# Altium PCB cam_cross_link.PcbDoc (part 1 of 4)
Units mm, origin at the board's own origin, x right, y up, seen from the top; angles counter-clockwise.
Board outline 68.55 x 39.09 mm, 6 copper layers (Signal_T, GND_T, PWR, Signal_INT, GND_B, Signal_B), stack 0.816 mm thick; 186 components, 134 nets, 893 pads, 753 vias.
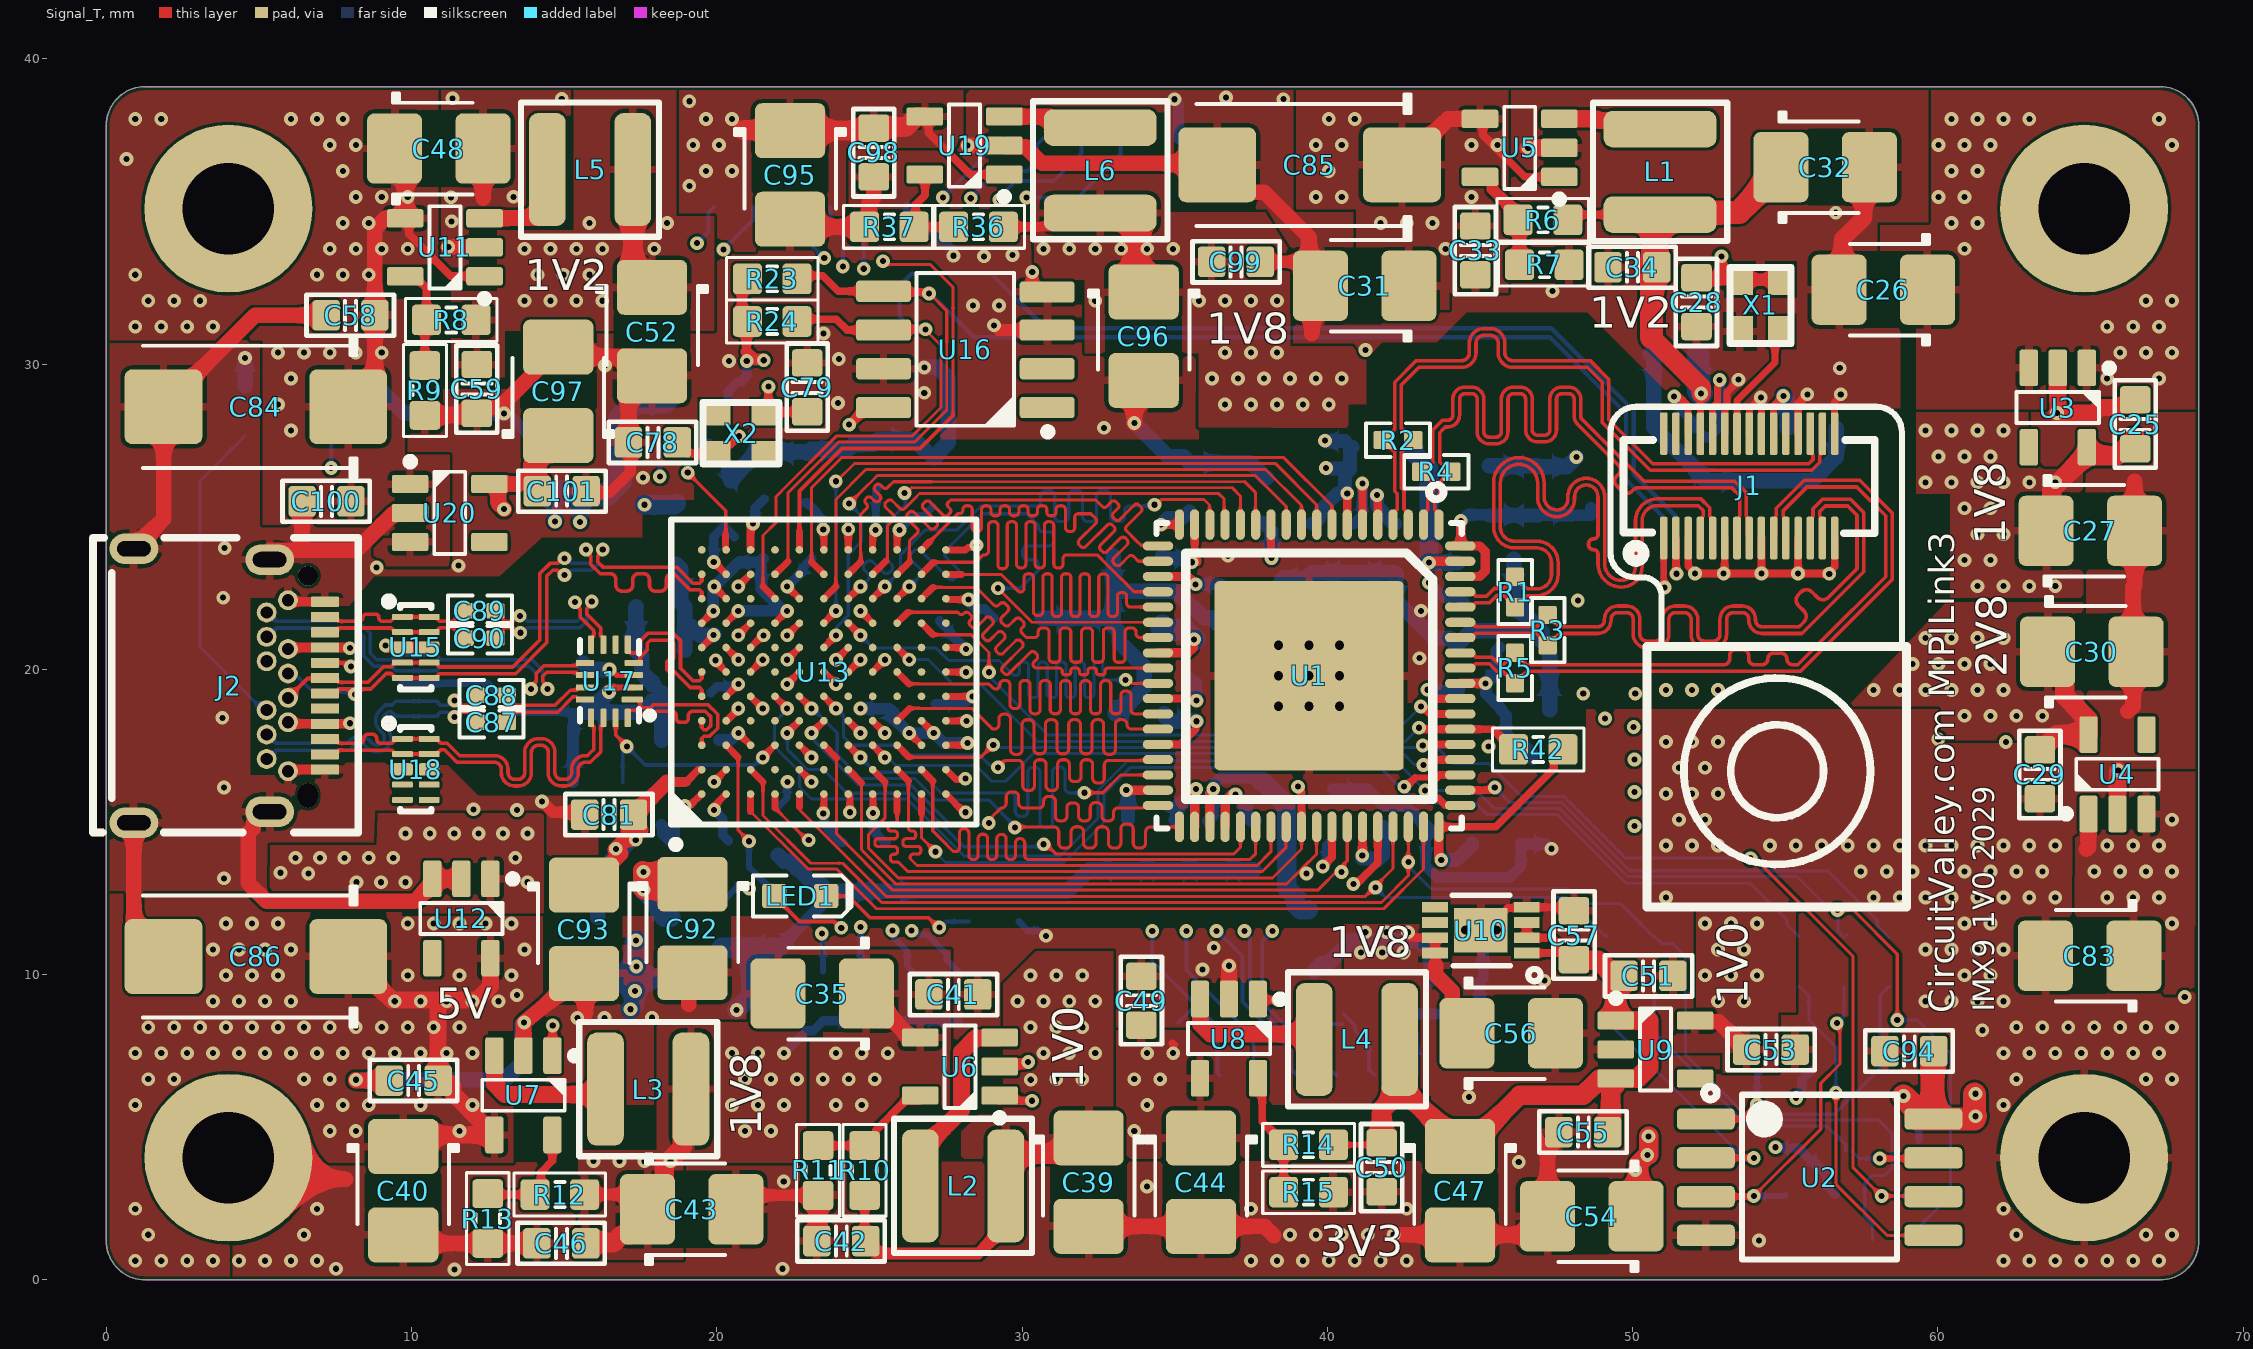
[diagram p0: Signal_T view]
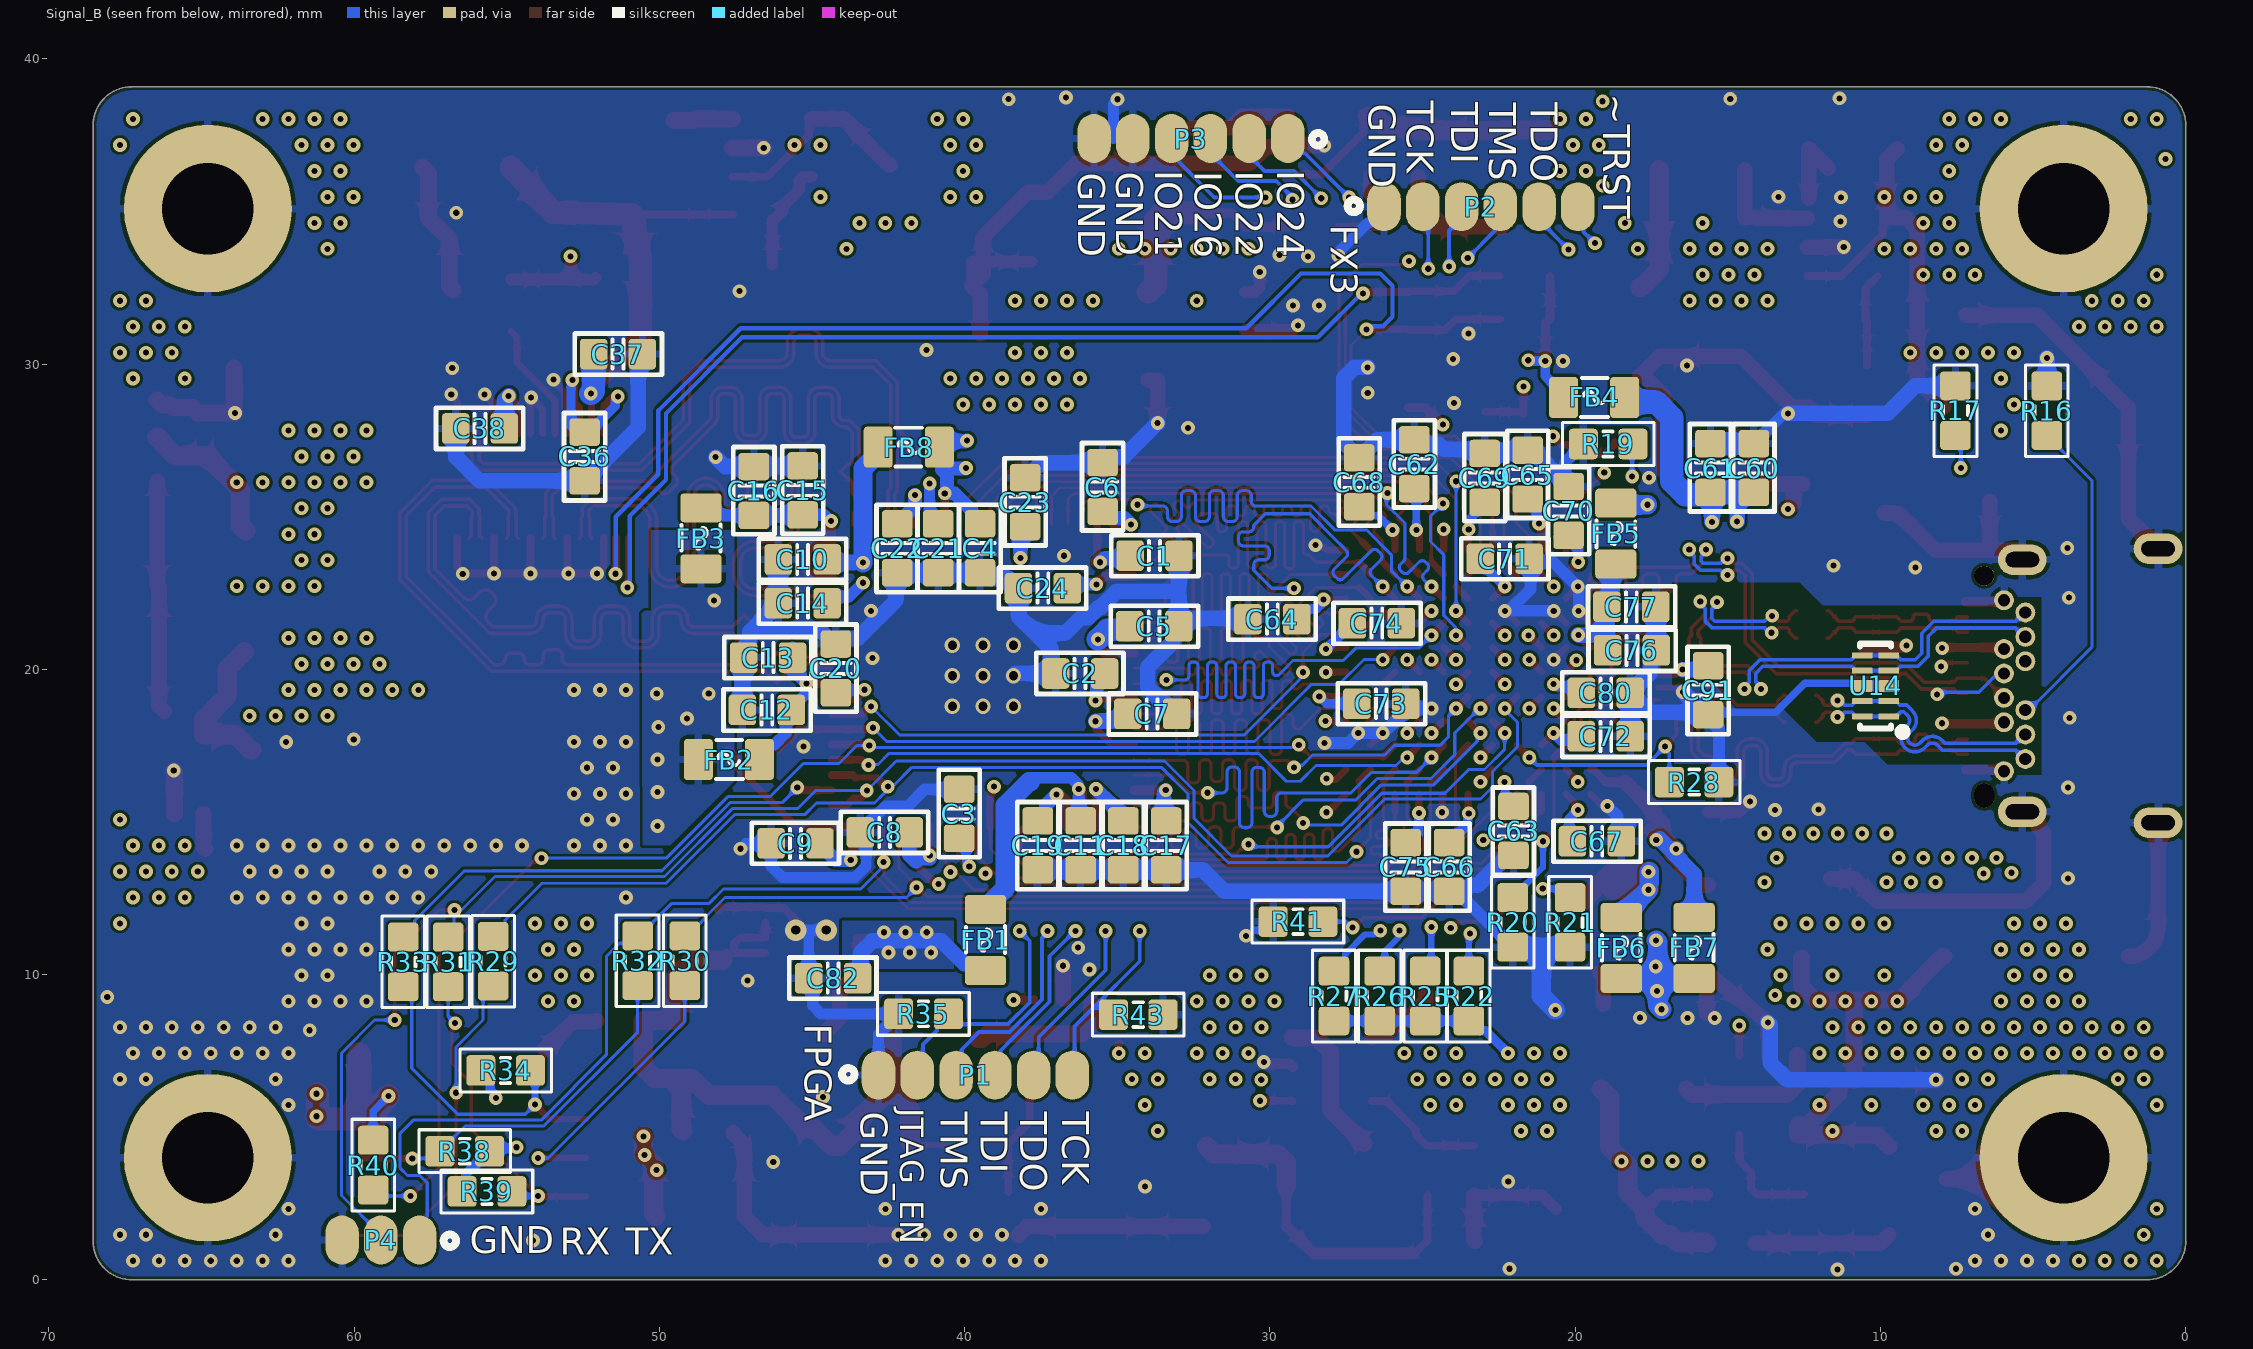
[diagram p1: Signal_B view, seen from below]
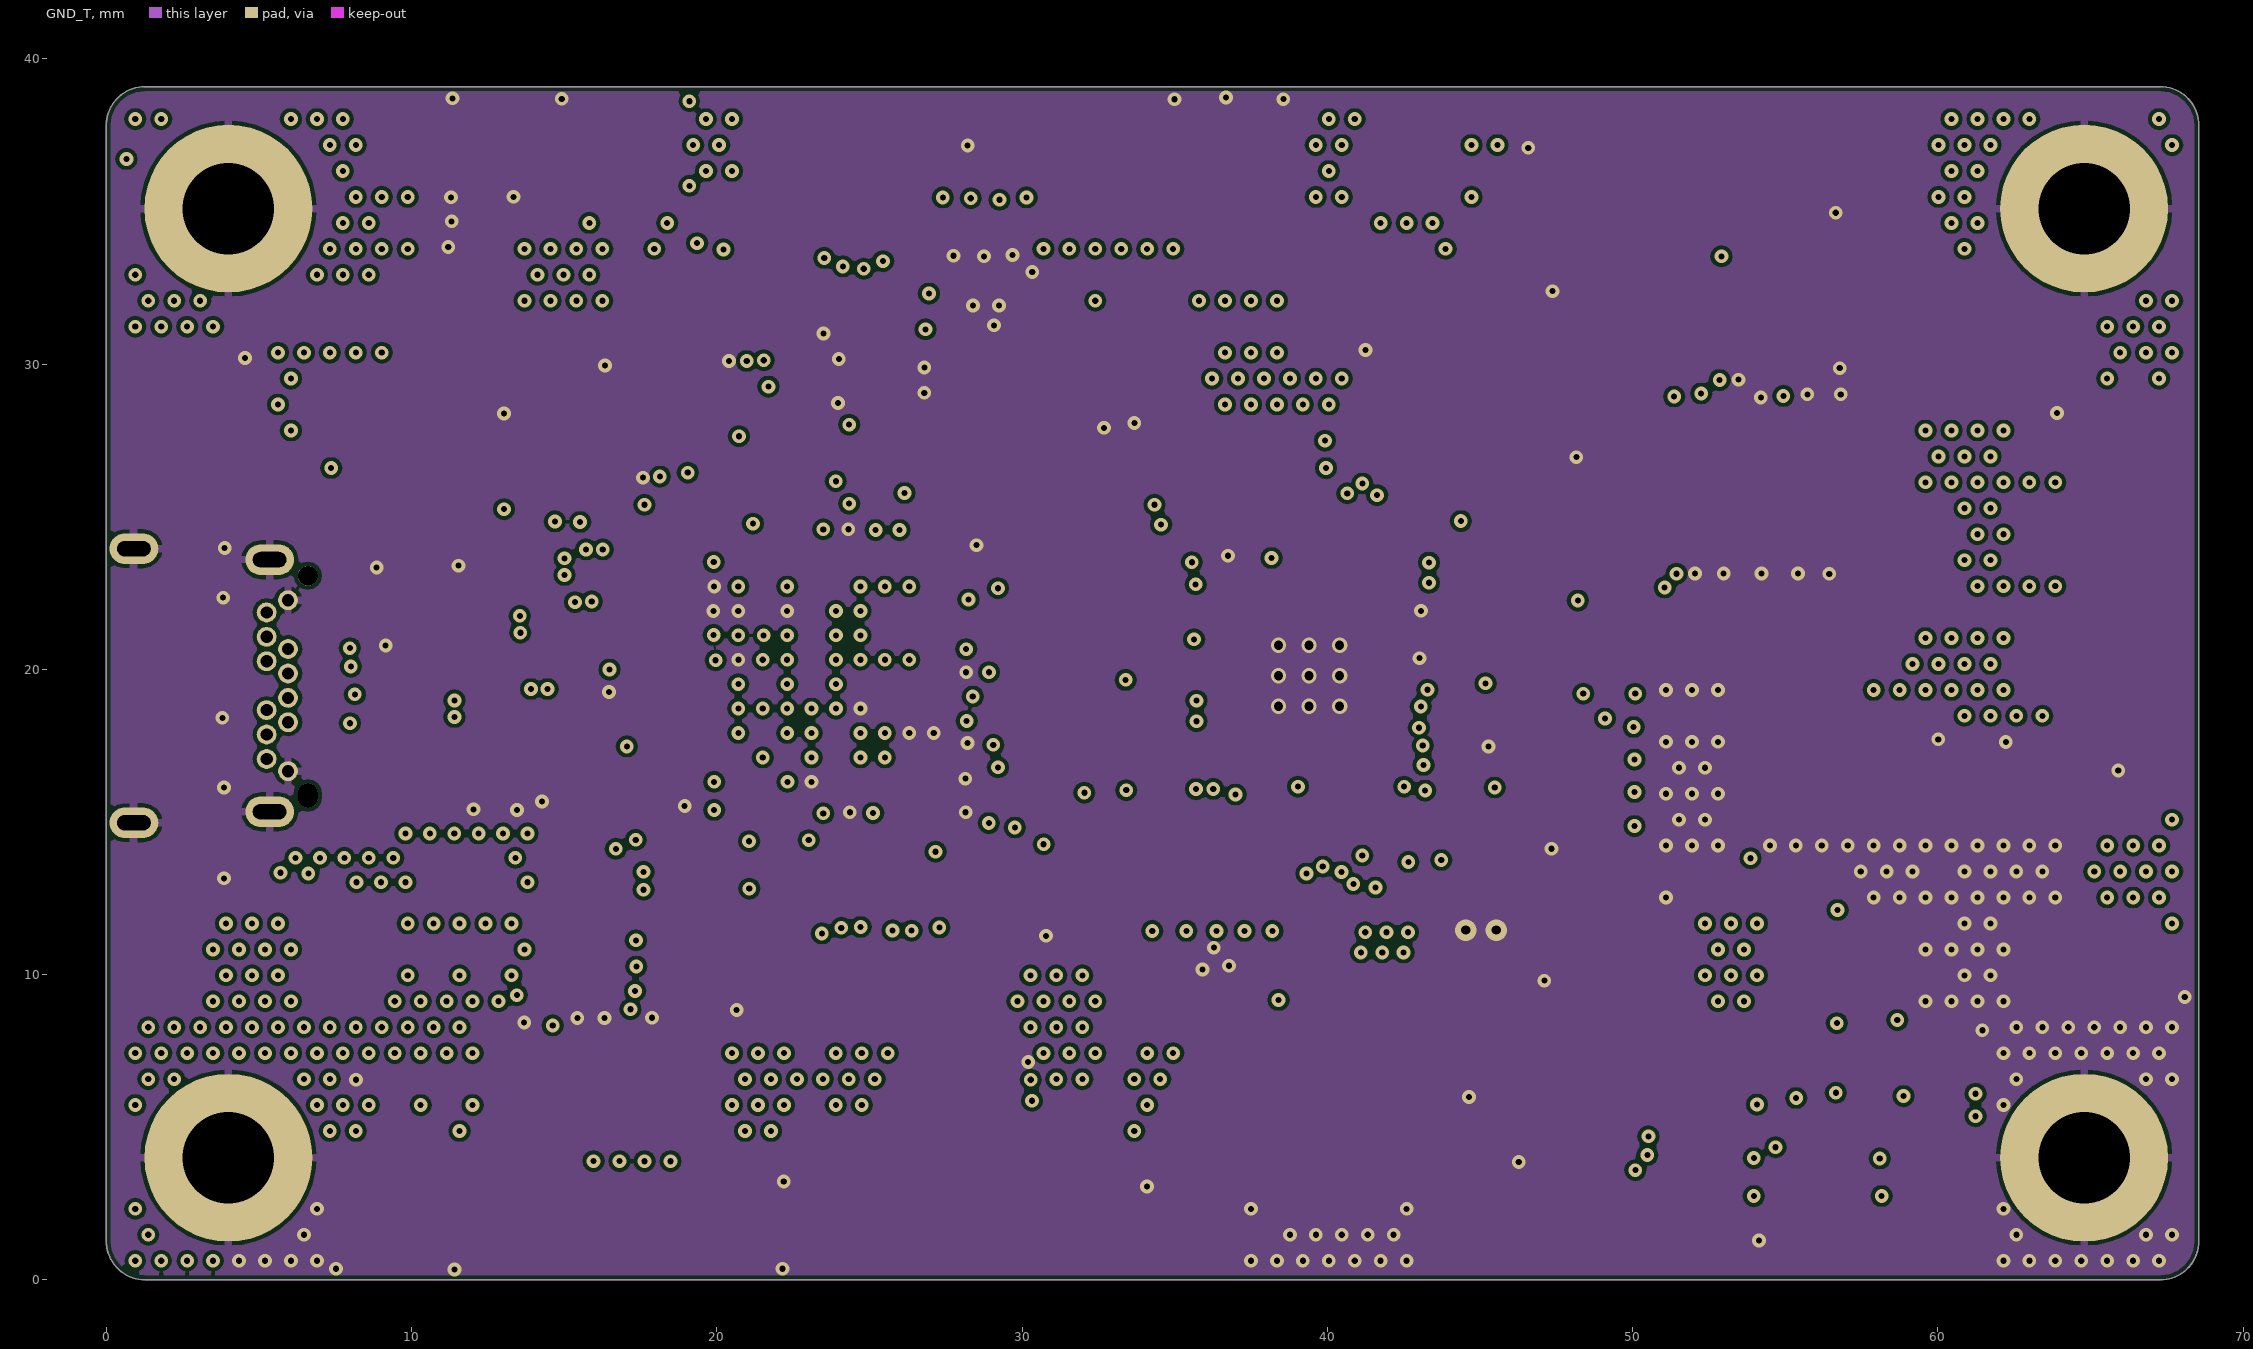
[diagram p2: GND_T]
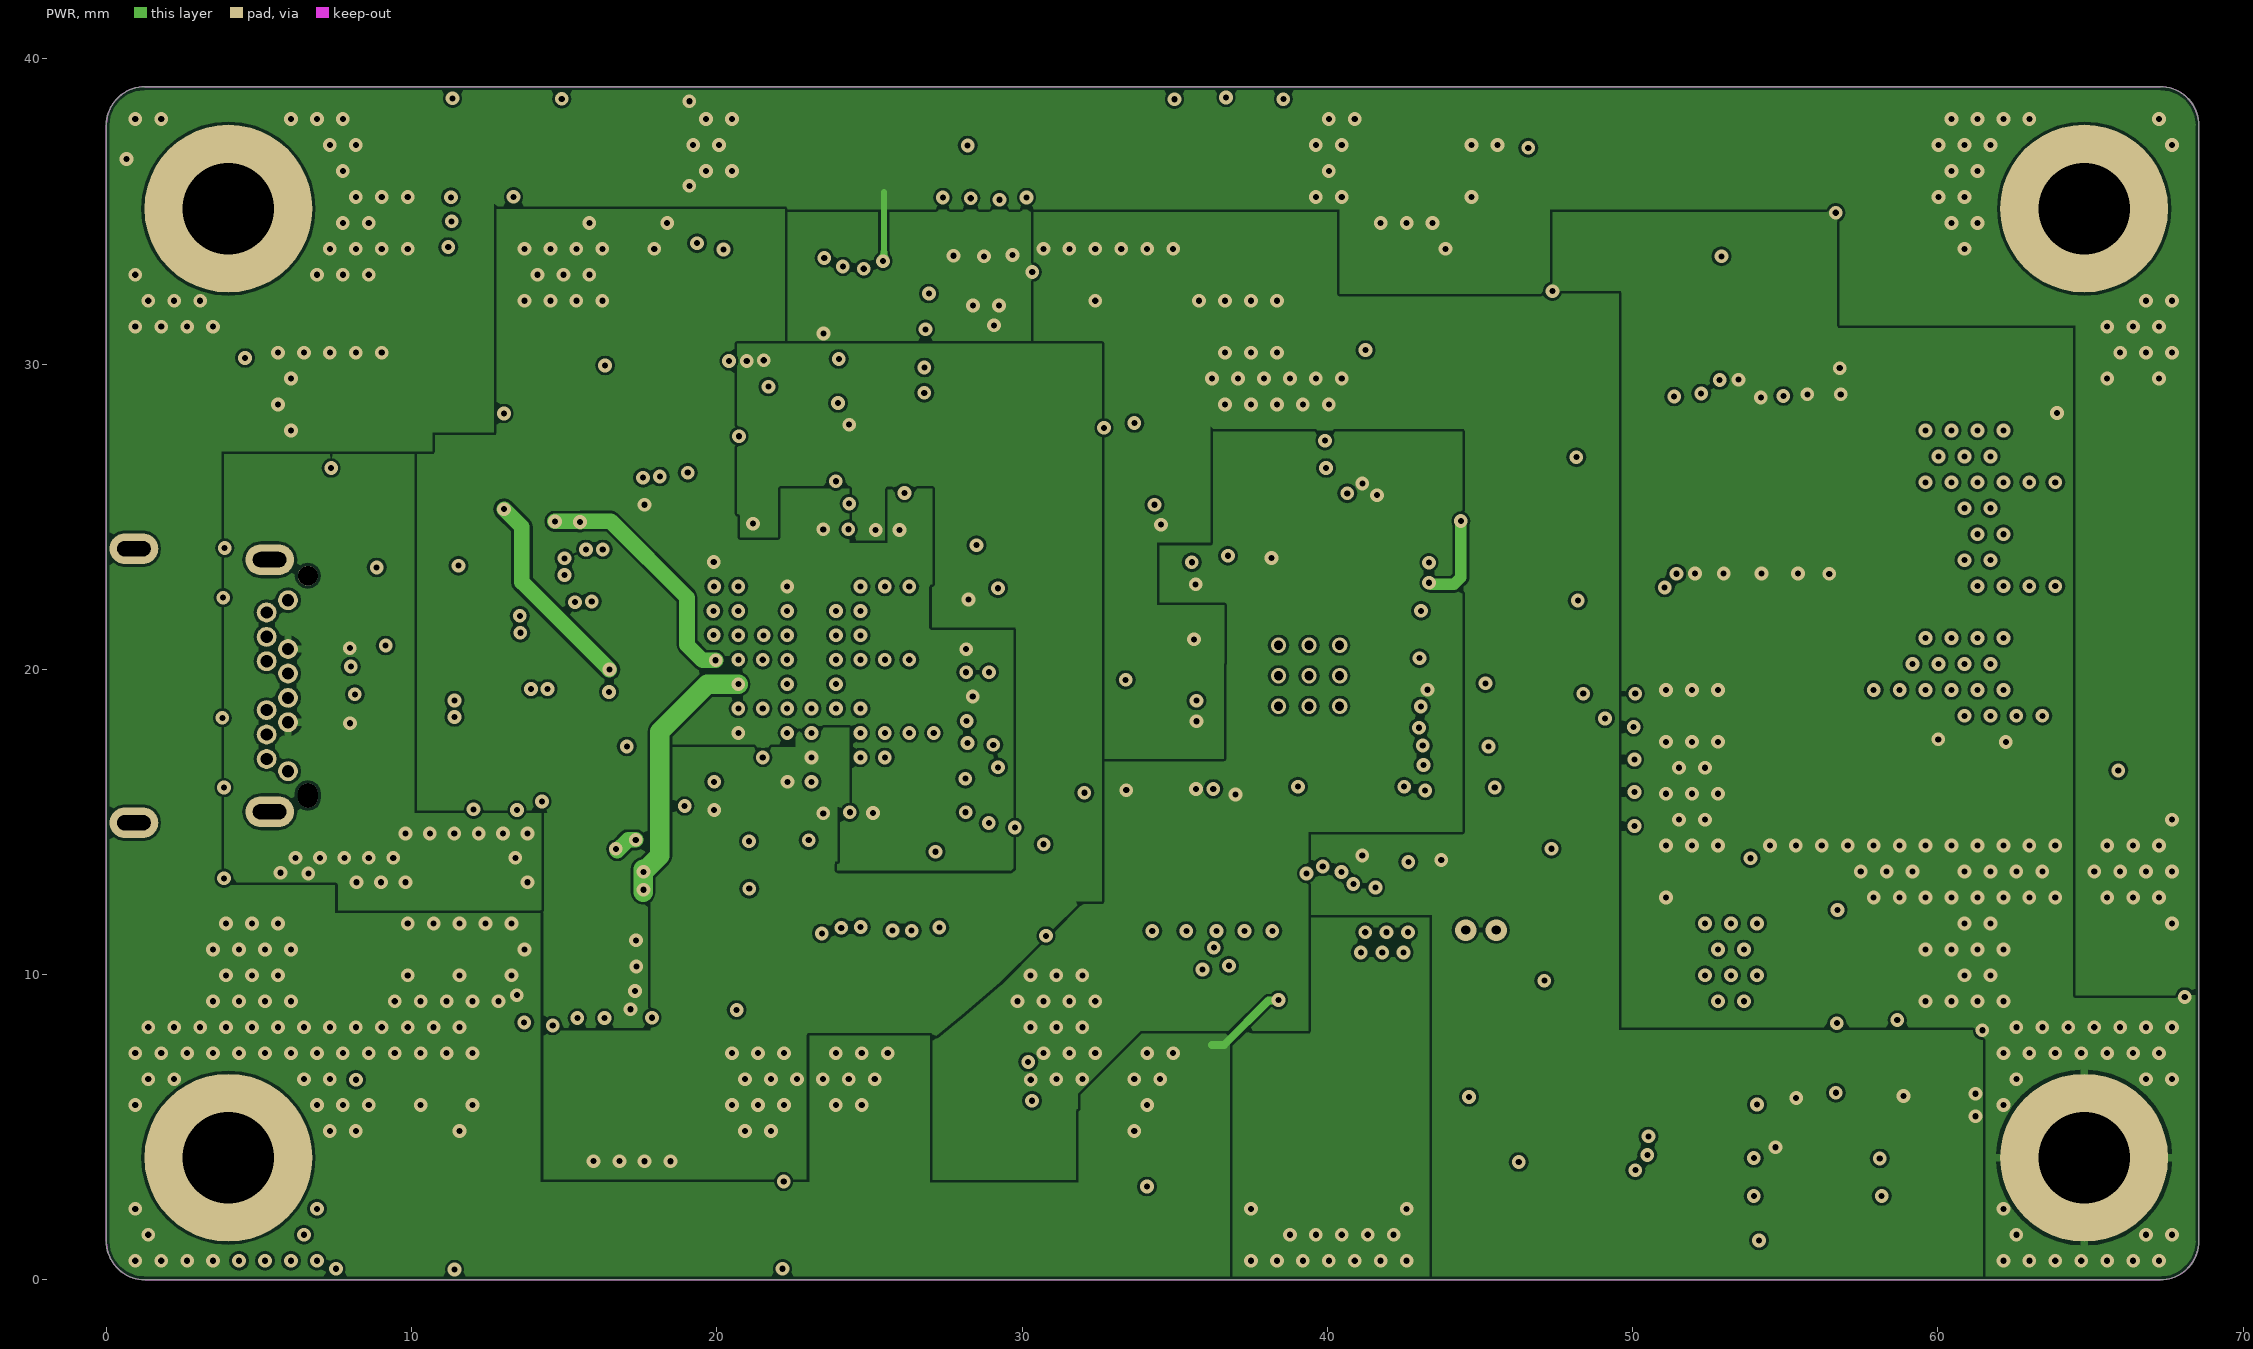
[diagram p3: PWR]